# Altium PCB RabbitMask.PcbDoc (part 1 of 5)
Units mm, origin at the board's own origin, x right, y up, seen from the top; angles counter-clockwise.
Board outline 372.49 x 232.54 mm, 2 copper layers (Top Layer, Bottom Layer); 598 components, 1202 nets, 3588 pads, 0 vias.
Unrouted connection lines stored in the file: 1647.

## Layer stack, top to bottom
Top Solder: solder mask 0.0102, Solder Resist, Dk 3.5
Top Layer: signal copper 0.0356
Dielectric 1: dielectric 0.32, FR-4, Dk 4.8
Bottom Layer: signal copper 0.0356
Bottom Solder: solder mask 0.0102, Solder Resist, Dk 3.5

## Board outline
-10.244,-76.397 362.244,-76.397 362.244,156.146 -10.244,156.146
cut-out: 328.197,119.17 ccw(c328.447,119.17) 328.447,118.92 ccw(c328.447,119.17) 328.697,119.17 ccw(c328.447,119.17) 328.447,119.42 ccw(c328.447,119.17)
cut-out: 326.837,118.84 ccw(c327.087,118.84) 327.087,118.59 ccw(c327.087,118.84) 327.337,118.84 ccw(c327.087,118.84) 327.087,119.09 ccw(c327.087,118.84)
cut-out: 328.433,118.198 ccw(c328.683,118.198) 328.683,117.948 ccw(c328.683,118.198) 328.933,118.198 ccw(c328.683,118.198) 328.683,118.448 ccw(c328.683,118.198)
cut-out: 328.918,116.976 ccw(c328.918,117.226) 329.168,117.226 ccw(c328.918,117.226) 328.918,117.476 ccw(c328.918,117.226) 328.668,117.226 ccw(c328.918,117.226)
cut-out: 327.072,117.868 ccw(c327.322,117.868) 327.322,117.618 ccw(c327.322,117.868) 327.572,117.868 ccw(c327.322,117.868) 327.322,118.118 ccw(c327.322,117.868)
cut-out: 327.308,116.897 ccw(c327.558,116.897) 327.558,116.647 ccw(c327.558,116.897) 327.808,116.897 ccw(c327.558,116.897) 327.558,117.147 ccw(c327.558,116.897)
cut-out: 323.955,136.663 ccw(c324.205,136.663) 324.205,136.413 ccw(c324.205,136.663) 324.455,136.663 ccw(c324.205,136.663) 324.205,136.913 ccw(c324.205,136.663)
cut-out: 323.72,137.635 cw(c323.97,137.635) 323.97,137.885 cw(c323.97,137.635) 324.22,137.635 cw(c323.97,137.635) 323.97,137.385 cw(c323.97,137.635)
cut-out: 322.359,137.305 cw(c322.609,137.305) 322.609,137.555 cw(c322.609,137.305) 322.859,137.305 cw(c322.609,137.305) 322.609,137.055 cw(c322.609,137.305)
cut-out: 324.191,135.691 ccw(c324.441,135.691) 324.441,135.441 ccw(c324.441,135.691) 324.691,135.691 ccw(c324.441,135.691) 324.441,135.941 ccw(c324.441,135.691)
cut-out: 323.142,133.833 cw(c324.114,134.069) 325.086,134.304 328.385,120.699 cw(c327.413,120.463) 326.442,120.227
cut-out: 322.831,135.361 ccw(c323.081,135.361) 323.081,135.111 ccw(c323.081,135.361) 323.331,135.361 ccw(c323.081,135.361) 323.081,135.611 ccw(c323.081,135.361)
cut-out: 322.595,136.333 ccw(c322.845,136.333) 322.845,136.083 ccw(c322.845,136.333) 323.095,136.333 ccw(c322.845,136.333) 322.845,136.583 ccw(c322.845,136.333)
cut-out: 330.919,101.762 ccw(c331.891,101.998) 332.863,102.234 329.563,115.839 ccw(c328.592,115.604) 327.62,115.368
cut-out: 308.83,144.96 ccw(c309.08,144.96) 309.08,144.71 ccw(c309.08,144.96) 309.33,144.96 ccw(c309.08,144.96) 309.08,145.21 ccw(c309.08,144.96)
cut-out: 308.082,144.643 ccw(c308.082,144.893) 308.332,144.893 ccw(c308.082,144.893) 308.082,145.143 ccw(c308.082,144.893) 307.832,144.893 ccw(c308.082,144.893)
cut-out: 309.174,143.313 ccw(c309.174,143.563) 309.424,143.563 ccw(c309.174,143.563) 309.174,143.813 ccw(c309.174,143.563) 308.924,143.563 ccw(c309.174,143.563)
cut-out: 306.834,144.825 ccw(c307.084,144.825) 307.084,144.575 ccw(c307.084,144.825) 307.334,144.825 ccw(c307.084,144.825) 307.084,145.075 ccw(c307.084,144.825)
cut-out: 307.926,143.496 ccw(c308.176,143.496) 308.176,143.246 ccw(c308.176,143.496) 308.426,143.496 ccw(c308.176,143.496) 308.176,143.746 ccw(c308.176,143.496)
cut-out: 306.929,143.429 ccw(c307.179,143.429) 307.179,143.179 ccw(c307.179,143.429) 307.429,143.429 ccw(c307.179,143.429) 307.179,143.679 ccw(c307.179,143.429)
cut-out: 288.875,143.615 ccw(c289.125,143.615) 289.125,143.365 ccw(c289.125,143.615) 289.375,143.615 ccw(c289.125,143.615) 289.125,143.865 ccw(c289.125,143.615)
cut-out: 288.127,143.298 ccw(c288.127,143.548) 288.377,143.548 ccw(c288.127,143.548) 288.127,143.798 ccw(c288.127,143.548) 287.877,143.548 ccw(c288.127,143.548)
cut-out: 290.736,142.02 305.702,143.028 ccw(c305.635,144.026) 305.568,145.024 290.602,144.015 ccw(c290.669,143.017)
cut-out: 289.219,141.968 ccw(c289.219,142.218) 289.469,142.218 ccw(c289.219,142.218) 289.219,142.468 ccw(c289.219,142.218) 288.969,142.218 ccw(c289.219,142.218)
cut-out: 287.13,143.23 ccw(c287.13,143.48) 287.38,143.48 ccw(c287.13,143.48) 287.13,143.73 ccw(c287.13,143.48) 286.88,143.48 ccw(c287.13,143.48)
cut-out: 287.972,142.151 ccw(c288.222,142.151) 288.222,141.901 ccw(c288.222,142.151) 288.472,142.151 ccw(c288.222,142.151) 288.222,142.401 ccw(c288.222,142.151)
cut-out: 321.964,138.692 320.668,144.037 310.691,143.365 cw(c310.624,144.362) 310.556,145.36 322.215,146.146 323.908,139.163 cw(c322.936,138.928)
cut-out: 287.224,141.833 ccw(c287.224,142.083) 287.474,142.083 ccw(c287.224,142.083) 287.224,142.333 ccw(c287.224,142.083) 286.974,142.083 ccw(c287.224,142.083)
cut-out: 337.559,82.011 ccw(c337.809,82.011) 337.809,81.761 ccw(c337.809,82.011) 338.059,82.011 ccw(c337.809,82.011) 337.809,82.261 ccw(c337.809,82.011)
cut-out: 337.34,82.987 ccw(c337.59,82.987) 337.59,82.737 ccw(c337.59,82.987) 337.84,82.987 ccw(c337.59,82.987) 337.59,83.237 ccw(c337.59,82.987)
cut-out: 335.974,82.68 ccw(c336.224,82.68) 336.224,82.43 ccw(c336.224,82.68) 336.474,82.68 ccw(c336.224,82.68) 336.224,82.93 ccw(c336.224,82.68)
cut-out: 337.778,81.035 ccw(c338.028,81.035) 338.028,80.785 ccw(c338.028,81.035) 338.278,81.035 ccw(c338.028,81.035) 338.028,81.285 ccw(c338.028,81.035)
cut-out: 336.193,81.704 ccw(c336.443,81.704) 336.443,81.454 ccw(c336.443,81.704) 336.693,81.704 ccw(c336.443,81.704) 336.443,81.954 ccw(c336.443,81.704)
cut-out: 336.412,80.729 ccw(c336.662,80.729) 336.662,80.479 ccw(c336.662,80.729) 336.912,80.729 ccw(c336.662,80.729) 336.662,80.979 ccw(c336.662,80.729)
cut-out: 332.924,100.455 ccw(c332.924,100.705) 333.174,100.705 ccw(c332.924,100.705) 332.924,100.955 ccw(c332.924,100.705) 332.674,100.705 ccw(c332.924,100.705)
cut-out: 332.91,99.733 ccw(c333.16,99.733) 333.16,99.483 ccw(c333.16,99.733) 333.41,99.733 ccw(c333.16,99.733) 333.16,99.983 ccw(c333.16,99.733)
cut-out: 331.314,100.375 ccw(c331.564,100.375) 331.564,100.125 ccw(c331.564,100.375) 331.814,100.375 ccw(c331.564,100.375) 331.564,100.625 ccw(c331.564,100.375)
cut-out: 331.55,99.403 ccw(c331.8,99.403) 331.8,99.153 ccw(c331.8,99.403) 332.05,99.403 ccw(c331.8,99.403) 331.8,99.653 ccw(c331.8,99.403)
cut-out: 333.396,98.511 ccw(c333.396,98.761) 333.646,98.761 ccw(c333.396,98.761) 333.396,99.011 ccw(c333.396,98.761) 333.146,98.761 ccw(c333.396,98.761)
cut-out: 331.785,98.432 ccw(c332.035,98.432) 332.035,98.182 ccw(c332.035,98.432) 332.285,98.432 ccw(c332.035,98.432) 332.035,98.682 ccw(c332.035,98.432)
cut-out: 348.292,34.201 ccw(c348.542,34.201) 348.542,33.951 ccw(c348.542,34.201) 348.792,34.201 ccw(c348.542,34.201) 348.542,34.451 ccw(c348.542,34.201)
cut-out: 346.926,33.894 ccw(c347.176,33.894) 347.176,33.644 ccw(c347.176,33.894) 347.426,33.894 ccw(c347.176,33.894) 347.176,34.144 ccw(c347.176,33.894)
cut-out: 348.511,33.225 ccw(c348.761,33.225) 348.761,32.975 ccw(c348.761,33.225) 349.011,33.225 ccw(c348.761,33.225) 348.761,33.475 ccw(c348.761,33.225)
cut-out: 348.98,32 ccw(c348.98,32.25) 349.23,32.25 ccw(c348.98,32.25) 348.98,32.5 ccw(c348.98,32.25) 348.73,32.25 ccw(c348.98,32.25)
cut-out: 347.145,32.919 ccw(c347.395,32.919) 347.395,32.669 ccw(c347.395,32.919) 347.645,32.919 ccw(c347.395,32.919) 347.395,33.169 ccw(c347.395,32.919)
cut-out: 347.364,31.943 ccw(c347.614,31.943) 347.614,31.693 ccw(c347.614,31.943) 347.864,31.943 ccw(c347.614,31.943) 347.614,32.193 ccw(c347.614,31.943)
cut-out: 343.035,57.618 ccw(c343.285,57.618) 343.285,57.368 ccw(c343.285,57.618) 343.535,57.618 ccw(c343.285,57.618) 343.285,57.868 ccw(c343.285,57.618)
cut-out: 342.816,58.594 cw(c343.066,58.594) 343.066,58.844 cw(c343.066,58.594) 343.316,58.594 cw(c343.066,58.594) 343.066,58.344 cw(c343.066,58.594)
cut-out: 341.079,59.685 336.698,79.199 cw(c337.673,79.418) 338.649,79.637 343.03,60.123 cw(c342.054,59.904)
cut-out: 341.45,58.287 cw(c341.7,58.287) 341.7,58.537 cw(c341.7,58.287) 341.95,58.287 cw(c341.7,58.287) 341.7,58.037 cw(c341.7,58.287)
cut-out: 343.254,56.643 ccw(c343.504,56.643) 343.504,56.393 ccw(c343.504,56.643) 343.754,56.643 ccw(c343.504,56.643) 343.504,56.893 ccw(c343.504,56.643)
cut-out: 342.174,54.807 cw(c343.15,55.026) 344.125,55.245 348.506,35.73 cw(c347.531,35.511) 346.555,35.292
cut-out: 341.888,56.336 ccw(c342.138,56.336) 342.138,56.086 ccw(c342.138,56.336) 342.388,56.336 ccw(c342.138,56.336) 342.138,56.586 ccw(c342.138,56.336)
cut-out: 341.669,57.312 ccw(c341.919,57.312) 341.919,57.062 ccw(c341.919,57.312) 342.169,57.312 ccw(c341.919,57.312) 341.919,57.562 ccw(c341.919,57.312)
cut-out: 328.343,87.834 cw(c327.87,88.715) 327.397,89.596 333.123,92.67 332.097,96.903 cw(c333.069,97.139) 334.041,97.374 334.501,95.475 335.197,95.011 337.554,84.516 cw(c336.578,84.297) 335.602,84.078 334.069,90.908
cut-out: 325.967,88.622 ccw(c326.217,88.622) 326.217,88.372 ccw(c326.217,88.622) 326.467,88.622 ccw(c326.217,88.622) 326.217,88.872 ccw(c326.217,88.622)
cut-out: 325.086,88.149 ccw(c325.336,88.149) 325.336,87.899 ccw(c325.336,88.149) 325.586,88.149 ccw(c325.336,88.149) 325.336,88.399 ccw(c325.336,88.149)
cut-out: 326.629,87.389 ccw(c326.879,87.389) 326.879,87.139 ccw(c326.879,87.389) 327.129,87.389 ccw(c326.879,87.389) 326.879,87.639 ccw(c326.879,87.389)
cut-out: 325.748,86.916 ccw(c325.998,86.916) 325.998,86.666 ccw(c325.998,86.916) 326.248,86.916 ccw(c325.998,86.916) 325.998,87.166 ccw(c325.998,86.916)
cut-out: 324.455,87.426 ccw(c324.455,87.676) 324.705,87.676 ccw(c324.455,87.676) 324.455,87.926 ccw(c324.455,87.676) 324.205,87.676 ccw(c324.455,87.676)
cut-out: 325.117,86.193 ccw(c325.117,86.443) 325.367,86.443 ccw(c325.117,86.443) 325.117,86.693 ccw(c325.117,86.443) 324.867,86.443 ccw(c325.117,86.443)
cut-out: 300.416,74.905 ccw(c300.666,74.905) 300.666,74.655 ccw(c300.666,74.905) 300.916,74.905 ccw(c300.666,74.905) 300.666,75.155 ccw(c300.666,74.905)
cut-out: 299.535,74.432 ccw(c299.785,74.432) 299.785,74.182 ccw(c299.785,74.432) 300.035,74.432 ccw(c299.785,74.432) 299.785,74.682 ccw(c299.785,74.432)
cut-out: 302.792,74.116 cw(c302.319,74.997) 301.846,75.879 322.991,87.231 cw(c323.464,86.35) 323.937,85.469
cut-out: 301.078,73.671 ccw(c301.328,73.671) 301.328,73.421 ccw(c301.328,73.671) 301.578,73.671 ccw(c301.328,73.671) 301.328,73.921 ccw(c301.328,73.671)
cut-out: 298.654,73.959 ccw(c298.904,73.959) 298.904,73.709 ccw(c298.904,73.959) 299.154,73.959 ccw(c298.904,73.959) 298.904,74.209 ccw(c298.904,73.959)
cut-out: 300.197,73.198 ccw(c300.447,73.198) 300.447,72.948 ccw(c300.447,73.198) 300.697,73.198 ccw(c300.447,73.198) 300.447,73.448 ccw(c300.447,73.198)
cut-out: 299.566,72.475 ccw(c299.566,72.725) 299.816,72.725 ccw(c299.566,72.725) 299.566,72.975 ccw(c299.566,72.725) 299.316,72.725 ccw(c299.566,72.725)
cut-out: 288.154,56.767 ccw(c288.404,56.767) 288.404,56.517 ccw(c288.404,56.767) 288.654,56.767 ccw(c288.404,56.767) 288.404,57.017 ccw(c288.404,56.767)
cut-out: 287.896,55.801 ccw(c288.146,55.801) 288.146,55.551 ccw(c288.146,55.801) 288.396,55.801 ccw(c288.146,55.801) 288.146,56.051 ccw(c288.146,55.801)
cut-out: 287.889,54.584 ccw(c287.889,54.834) 288.139,54.834 ccw(c287.889,54.834) 287.889,55.084 ccw(c287.889,54.834) 287.639,54.834 ccw(c287.889,54.834)
cut-out: 286.801,57.128 ccw(c287.051,57.128) 287.051,56.878 ccw(c287.051,57.128) 287.301,57.128 ccw(c287.051,57.128) 287.051,57.378 ccw(c287.051,57.128)
cut-out: 286.793,55.911 ccw(c286.793,56.161) 287.043,56.161 ccw(c286.793,56.161) 286.793,56.411 ccw(c286.793,56.161) 286.543,56.161 ccw(c286.793,56.161)
cut-out: 286.286,55.195 ccw(c286.536,55.195) 286.536,54.945 ccw(c286.536,55.195) 286.786,55.195 ccw(c286.536,55.195) 286.536,55.445 ccw(c286.536,55.195)
cut-out: 282.316,53.396 ccw(c282.566,53.396) 282.566,53.146 ccw(c282.566,53.396) 282.816,53.396 ccw(c282.566,53.396) 282.566,53.646 ccw(c282.566,53.396)
cut-out: 281.883,52.495 ccw(c282.133,52.495) 282.133,52.245 ccw(c282.133,52.495) 282.383,52.495 ccw(c282.133,52.495) 282.133,52.745 ccw(c282.133,52.495)
cut-out: 281.7,51.343 ccw(c281.7,51.593) 281.95,51.593 ccw(c281.7,51.593) 281.7,51.843 ccw(c281.7,51.593) 281.45,51.593 ccw(c281.7,51.593)
cut-out: 270.781,140.674 cw(c270.714,141.672) 270.647,142.67 285.613,143.679 cw(c285.68,142.681) 285.747,141.683
cut-out: 268.92,142.27 ccw(c269.17,142.27) 269.17,142.02 ccw(c269.17,142.27) 269.42,142.27 ccw(c269.17,142.27) 269.17,142.52 ccw(c269.17,142.27)
cut-out: 267.923,142.202 ccw(c268.173,142.202) 268.173,141.952 ccw(c268.173,142.202) 268.423,142.202 ccw(c268.173,142.202) 268.173,142.452 ccw(c268.173,142.202)
cut-out: 269.015,140.873 ccw(c269.265,140.873) 269.265,140.623 ccw(c269.265,140.873) 269.515,140.873 ccw(c269.265,140.873) 269.265,141.123 ccw(c269.265,140.873)
cut-out: 268.017,140.806 cw(c268.267,140.806) 268.267,141.056 cw(c268.267,140.806) 268.517,140.806 cw(c268.267,140.806) 268.267,140.556 cw(c268.267,140.806)
cut-out: 266.925,142.135 ccw(c267.175,142.135) 267.175,141.885 ccw(c267.175,142.135) 267.425,142.135 ccw(c267.175,142.135) 267.175,142.385 ccw(c267.175,142.135)
cut-out: 267.269,140.488 ccw(c267.269,140.738) 267.519,140.738 ccw(c267.269,140.738) 267.269,140.988 ccw(c267.269,140.738) 267.019,140.738 ccw(c267.269,140.738)
cut-out: 244.063,140.649 ccw(c244.313,140.649) 244.313,140.399 ccw(c244.313,140.649) 244.563,140.649 ccw(c244.313,140.649) 244.313,140.899 ccw(c244.313,140.649)
cut-out: 243.063,140.678 ccw(c243.313,140.678) 243.313,140.428 ccw(c243.313,140.678) 243.563,140.678 ccw(c243.313,140.678) 243.313,140.928 ccw(c243.313,140.678)
cut-out: 254.393,133.39 ccw(c255.391,133.32) 256.389,133.25 256.841,139.735 265.793,140.338 ccw(c265.725,141.336) 265.658,142.334 251.614,141.387 248.94,140.819 245.82,140.907 ccw(c245.792,139.907) 245.764,138.908 254.76,138.653
cut-out: 244.023,139.25 ccw(c244.273,139.25) 244.273,139 ccw(c244.273,139.25) 244.523,139.25 ccw(c244.273,139.25) 244.273,139.5 ccw(c244.273,139.25)
cut-out: 243.023,139.278 ccw(c243.273,139.278) 243.273,139.028 ccw(c243.273,139.278) 243.523,139.278 ccw(c243.273,139.278) 243.273,139.528 ccw(c243.273,139.278)
cut-out: 255.735,131.775 ccw(c255.985,131.775) 255.985,131.525 ccw(c255.985,131.775) 256.235,131.775 ccw(c255.985,131.775) 255.985,132.025 ccw(c255.985,131.775)
cut-out: 255.665,130.777 ccw(c255.915,130.777) 255.915,130.527 ccw(c255.915,130.777) 256.165,130.777 ccw(c255.915,130.777) 255.915,131.027 ccw(c255.915,130.777)
cut-out: 255.596,129.78 ccw(c255.846,129.78) 255.846,129.53 ccw(c255.846,129.78) 256.096,129.78 ccw(c255.846,129.78) 255.846,130.03 ccw(c255.846,129.78)
cut-out: 254.338,131.872 ccw(c254.588,131.872) 254.588,131.622 ccw(c254.588,131.872) 254.838,131.872 ccw(c254.588,131.872) 254.588,132.122 ccw(c254.588,131.872)
cut-out: 254.269,130.875 ccw(c254.519,130.875) 254.519,130.625 ccw(c254.519,130.875) 254.769,130.875 ccw(c254.519,130.875) 254.519,131.125 ccw(c254.519,130.875)
cut-out: 254.199,129.877 ccw(c254.449,129.877) 254.449,129.627 ccw(c254.449,129.877) 254.699,129.877 ccw(c254.449,129.877) 254.449,130.127 ccw(c254.449,129.877)
cut-out: 254.344,111.823 cw(c254.594,111.823) 254.594,112.073 cw(c254.594,111.823) 254.844,111.823 cw(c254.594,111.823) 254.594,111.573 cw(c254.594,111.823)
cut-out: 253.002,113.438 ccw(c254,113.368) 254.997,113.299 256.041,128.263 ccw(c255.043,128.332) 254.046,128.402
cut-out: 253.197,111.671 ccw(c253.197,111.921) 253.447,111.921 ccw(c253.197,111.921) 253.197,112.171 ccw(c253.197,111.921) 252.947,111.921 ccw(c253.197,111.921)
cut-out: 254.274,110.826 ccw(c254.524,110.826) 254.524,110.576 ccw(c254.524,110.826) 254.774,110.826 ccw(c254.524,110.826) 254.524,111.076 ccw(c254.524,110.826)
cut-out: 254.205,109.828 ccw(c254.455,109.828) 254.455,109.578 ccw(c254.455,109.828) 254.705,109.828 ccw(c254.455,109.828) 254.455,110.078 ccw(c254.455,109.828)
cut-out: 252.878,110.923 ccw(c253.128,110.923) 253.128,110.673 ccw(c253.128,110.923) 253.378,110.923 ccw(c253.128,110.923) 253.128,111.173 ccw(c253.128,110.923)
cut-out: 252.808,109.926 ccw(c253.058,109.926) 253.058,109.676 ccw(c253.058,109.926) 253.308,109.926 ccw(c253.058,109.926) 253.058,110.176 ccw(c253.058,109.926)
cut-out: 223.071,141.243 ccw(c223.321,141.243) 223.321,140.993 ccw(c223.321,141.243) 223.571,141.243 ccw(c223.321,141.243) 223.321,141.493 ccw(c223.321,141.243)
cut-out: 222.071,141.271 ccw(c222.321,141.271) 222.321,141.021 ccw(c222.321,141.271) 222.571,141.271 ccw(c222.321,141.271) 222.321,141.521 ccw(c222.321,141.271)
cut-out: 224.321,140.965 ccw(c224.321,141.215) 224.571,141.215 ccw(c224.321,141.215) 224.321,141.465 ccw(c224.321,141.215) 224.071,141.215 ccw(c224.321,141.215)
cut-out: 242.063,140.706 ccw(c242.313,140.706) 242.313,140.456 ccw(c242.313,140.706) 242.563,140.706 ccw(c242.313,140.706) 242.313,140.956 ccw(c242.313,140.706)
cut-out: 222.282,139.622 ccw(c222.282,139.872) 222.532,139.872 ccw(c222.282,139.872) 222.282,140.122 ccw(c222.282,139.872) 222.032,139.872 ccw(c222.282,139.872)
cut-out: 205.78,140.039 220.774,139.615 ccw(c220.802,140.614) 220.83,141.614 205.836,142.038 ccw(c205.808,141.038)
cut-out: 204.329,141.53 ccw(c204.329,141.78) 204.579,141.78 ccw(c204.329,141.78) 204.329,142.03 ccw(c204.329,141.78) 204.079,141.78 ccw(c204.329,141.78)
cut-out: 202.329,141.587 cw(c202.329,141.837) 202.079,141.837 cw(c202.329,141.837) 202.329,142.087 cw(c202.329,141.837) 202.579,141.837 cw(c202.329,141.837)
cut-out: 203.329,141.559 cw(c203.329,141.809) 203.079,141.809 cw(c203.329,141.809) 203.329,142.059 cw(c203.329,141.809) 203.579,141.809 cw(c203.329,141.809)
cut-out: 204.289,140.131 ccw(c204.289,140.381) 204.539,140.381 ccw(c204.289,140.381) 204.289,140.631 ccw(c204.289,140.381) 204.039,140.381 ccw(c204.289,140.381)
cut-out: 203.039,140.409 cw(c203.289,140.409) 203.289,140.659 cw(c203.289,140.409) 203.539,140.409 cw(c203.289,140.409) 203.289,140.159 cw(c203.289,140.409)
cut-out: 202.29,140.187 ccw(c202.29,140.437) 202.54,140.437 ccw(c202.29,140.437) 202.29,140.687 ccw(c202.29,140.437) 202.04,140.437 ccw(c202.29,140.437)
cut-out: 242.024,139.306 ccw(c242.274,139.306) 242.274,139.056 ccw(c242.274,139.306) 242.524,139.306 ccw(c242.274,139.306) 242.274,139.556 ccw(c242.274,139.306)
cut-out: 225.772,139.473 240.766,139.049 ccw(c240.794,140.049) 240.822,141.048 225.828,141.472 ccw(c225.8,140.473)
cut-out: 224.281,139.565 ccw(c224.281,139.815) 224.531,139.815 ccw(c224.281,139.815) 224.281,140.065 ccw(c224.281,139.815) 224.031,139.815 ccw(c224.281,139.815)
cut-out: 223.281,139.594 ccw(c223.281,139.844) 223.531,139.844 ccw(c223.281,139.844) 223.281,140.094 ccw(c223.281,139.844) 223.031,139.844 ccw(c223.281,139.844)
cut-out: 185.837,130.802 187.166,142.566 200.838,142.179 cw(c200.81,141.18) 200.782,140.18 188.947,140.515 187.824,130.578 cw(c186.831,130.69)
cut-out: 187.358,128.871 cw(c187.358,129.121) 187.108,129.121 cw(c187.358,129.121) 187.358,129.371 cw(c187.358,129.121) 187.608,129.121 cw(c187.358,129.121)
cut-out: 187.246,127.877 cw(c187.246,128.127) 186.996,128.127 cw(c187.246,128.127) 187.246,128.377 cw(c187.246,128.127) 187.496,128.127 cw(c187.246,128.127)
cut-out: 187.133,126.884 cw(c187.133,127.134) 186.883,127.134 cw(c187.133,127.134) 187.133,127.384 cw(c187.133,127.134) 187.383,127.134 cw(c187.133,127.134)
cut-out: 185.967,129.028 cw(c185.967,129.278) 185.717,129.278 cw(c185.967,129.278) 185.967,129.528 cw(c185.967,129.278) 186.217,129.278 cw(c185.967,129.278)
cut-out: 185.855,128.035 cw(c185.855,128.285) 185.605,128.285 cw(c185.855,128.285) 185.855,128.535 cw(c185.855,128.285) 186.105,128.285 cw(c185.855,128.285)
cut-out: 185.742,127.041 cw(c185.742,127.291) 185.492,127.291 cw(c185.742,127.291) 185.742,127.541 cw(c185.742,127.291) 185.992,127.291 cw(c185.742,127.291)
cut-out: 183.592,110.929 185.276,125.834 cw(c186.269,125.722) 187.263,125.61 185.58,110.704 cw(c184.586,110.817)
cut-out: 185.113,108.998 cw(c185.113,109.248) 184.863,109.248 cw(c185.113,109.248) 185.113,109.498 cw(c185.113,109.248) 185.363,109.248 cw(c185.113,109.248)
cut-out: 183.722,109.155 cw(c183.722,109.405) 183.472,109.405 cw(c183.722,109.405) 183.722,109.655 cw(c183.722,109.405) 183.972,109.405 cw(c183.722,109.405)
cut-out: 252.953,91.872 ccw(c253.203,91.872) 253.203,91.622 ccw(c253.203,91.872) 253.453,91.872 ccw(c253.203,91.872) 253.203,92.122 ccw(c253.203,91.872)
cut-out: 251.556,91.969 ccw(c251.806,91.969) 251.806,91.719 ccw(c251.806,91.969) 252.056,91.969 ccw(c251.806,91.969) 251.806,92.219 ccw(c251.806,91.969)
cut-out: 252.883,90.874 ccw(c253.133,90.874) 253.133,90.624 ccw(c253.133,90.874) 253.383,90.874 ccw(c253.133,90.874) 253.133,91.124 ccw(c253.133,90.874)
cut-out: 252.813,89.877 ccw(c253.063,89.877) 253.063,89.627 ccw(c253.063,89.877) 253.313,89.877 ccw(c253.063,89.877) 253.063,90.127 ccw(c253.063,89.877)
cut-out: 251.486,90.972 ccw(c251.736,90.972) 251.736,90.722 ccw(c251.736,90.972) 251.986,90.972 ccw(c251.736,90.972) 251.736,91.222 ccw(c251.736,90.972)
cut-out: 251.417,89.974 ccw(c251.667,89.974) 251.667,89.724 ccw(c251.667,89.974) 251.917,89.974 ccw(c251.667,89.974) 251.667,90.224 ccw(c251.667,89.974)
cut-out: 251.611,93.486 ccw(c252.609,93.417) 253.606,93.347 254.65,108.311 ccw(c253.652,108.381) 252.654,108.45
cut-out: 240.91,68.594 ccw(c240.91,68.844) 241.16,68.844 ccw(c240.91,68.844) 240.91,69.094 ccw(c240.91,68.844) 240.66,68.844 ccw(c240.91,68.844)
cut-out: 239.91,68.594 ccw(c239.91,68.844) 240.16,68.844 ccw(c239.91,68.844) 239.91,69.094 ccw(c239.91,68.844) 239.66,68.844 ccw(c239.91,68.844)
cut-out: 219.91,68.595 ccw(c219.91,68.845) 220.16,68.845 ccw(c219.91,68.845) 219.91,69.095 ccw(c219.91,68.845) 219.66,68.845 ccw(c219.91,68.845)
cut-out: 238.66,68.844 ccw(c238.91,68.844) 238.91,68.594 ccw(c238.91,68.844) 239.16,68.844 ccw(c238.91,68.844) 238.91,69.094 ccw(c238.91,68.844)
cut-out: 220.66,68.845 ccw(c220.91,68.845) 220.91,68.595 ccw(c220.91,68.845) 221.16,68.845 ccw(c220.91,68.845) 220.91,69.095 ccw(c220.91,68.845)
cut-out: 281.054,54.002 ccw(c281.304,54.002) 281.304,53.752 ccw(c281.304,54.002) 281.554,54.002 ccw(c281.304,54.002) 281.304,54.252 ccw(c281.304,54.002)
cut-out: 280.871,52.851 ccw(c280.871,53.101) 281.121,53.101 ccw(c280.871,53.101) 280.871,53.351 ccw(c280.871,53.101) 280.621,53.101 ccw(c280.871,53.101)
cut-out: 280.188,52.2 ccw(c280.438,52.2) 280.438,51.95 ccw(c280.438,52.2) 280.688,52.2 ccw(c280.438,52.2) 280.438,52.45 ccw(c280.438,52.2)
cut-out: 269.993,31.146 ccw(c270.894,30.713) 271.796,30.28 281.321,50.111 ccw(c280.42,50.544) 279.518,50.977
cut-out: 270.626,29.058 ccw(c270.876,29.058) 270.876,28.808 ccw(c270.876,29.058) 271.126,29.058 ccw(c270.876,29.058) 270.876,29.308 ccw(c270.876,29.058)
cut-out: 269.364,29.664 ccw(c269.614,29.664) 269.614,29.414 ccw(c269.614,29.664) 269.864,29.664 ccw(c269.614,29.664) 269.614,29.914 ccw(c269.614,29.664)
cut-out: 270.193,28.157 ccw(c270.443,28.157) 270.443,27.907 ccw(c270.443,28.157) 270.693,28.157 ccw(c270.443,28.157) 270.443,28.407 ccw(c270.443,28.157)
cut-out: 242.41,67.144 cw(c242.41,68.144) 242.392,69.144 249.914,69.143 251.263,88.499 cw(c252.261,88.429) 253.258,88.359 251.988,70.141 290.815,69.957 297.441,73.513 cw(c297.914,72.632) 298.387,71.751 291.761,68.194 289.08,58.139 cw(c288.114,58.397) 287.148,58.654 288.178,62.519 287.382,62.731 283.486,54.619 cw(c282.584,55.052) 281.683,55.484 287.282,67.141
cut-out: 239.66,67.444 ccw(c239.91,67.444) 239.91,67.194 ccw(c239.91,67.444) 240.16,67.444 ccw(c239.91,67.444) 239.91,67.694 ccw(c239.91,67.444)
cut-out: 268.931,28.763 cw(c269.181,28.763) 269.181,29.013 cw(c269.181,28.763) 269.431,28.763 cw(c269.181,28.763) 269.181,28.513 cw(c269.181,28.763)
cut-out: 240.66,67.444 ccw(c240.91,67.444) 240.91,67.194 ccw(c240.91,67.444) 241.16,67.444 ccw(c240.91,67.444) 240.91,67.694 ccw(c240.91,67.444)
cut-out: 219.66,67.445 ccw(c219.91,67.445) 219.91,67.195 ccw(c219.91,67.445) 220.16,67.445 ccw(c219.91,67.445) 219.91,67.695 ccw(c219.91,67.445)
cut-out: 238.66,67.444 ccw(c238.91,67.444) 238.91,67.194 ccw(c238.91,67.444) 239.16,67.444 ccw(c238.91,67.444) 238.91,67.694 ccw(c238.91,67.444)
cut-out: 222.41,67.145 237.41,67.144 ccw(c237.41,68.144) 237.429,69.144 222.388,69.145 ccw(c222.41,68.145)
cut-out: 220.66,67.445 ccw(c220.91,67.445) 220.91,67.195 ccw(c220.91,67.445) 221.16,67.445 ccw(c220.91,67.445) 220.91,67.695 ccw(c220.91,67.445)
cut-out: 183.61,108.161 ccw(c183.61,108.411) 183.86,108.411 ccw(c183.61,108.411) 183.61,108.661 ccw(c183.61,108.411) 183.36,108.411 ccw(c183.61,108.411)
cut-out: 185.001,108.004 cw(c185.001,108.254) 184.751,108.254 cw(c185.001,108.254) 185.001,108.504 cw(c185.001,108.254) 185.251,108.254 cw(c185.001,108.254)
cut-out: 184.639,107.26 cw(c184.889,107.26) 184.889,107.51 cw(c184.889,107.26) 185.139,107.26 cw(c184.889,107.26) 184.889,107.01 cw(c184.889,107.26)
cut-out: 183.497,107.167 cw(c183.497,107.417) 183.247,107.417 cw(c183.497,107.417) 183.497,107.667 cw(c183.497,107.417) 183.747,107.417 cw(c183.497,107.417)
cut-out: 199.66,68.846 ccw(c199.91,68.846) 199.91,68.596 ccw(c199.91,68.846) 200.16,68.846 ccw(c199.91,68.846) 199.91,69.096 ccw(c199.91,68.846)
cut-out: 198.66,68.847 ccw(c198.91,68.847) 198.91,68.597 ccw(c198.91,68.847) 199.16,68.847 ccw(c198.91,68.847) 198.91,69.097 ccw(c198.91,68.847)
cut-out: 182.618,89.374 ccw(c182.868,89.374) 182.868,89.124 ccw(c182.868,89.374) 183.118,89.374 ccw(c182.868,89.374) 182.868,89.624 ccw(c182.868,89.374)
cut-out: 181.347,91.055 183.031,105.96 cw(c184.025,105.848) 185.018,105.736 183.335,90.831 cw(c182.341,90.943)
cut-out: 181.227,89.531 ccw(c181.477,89.531) 181.477,89.281 ccw(c181.477,89.531) 181.727,89.531 ccw(c181.477,89.531) 181.477,89.781 ccw(c181.477,89.531)
cut-out: 182.506,88.38 ccw(c182.756,88.38) 182.756,88.13 ccw(c182.756,88.38) 183.006,88.38 ccw(c182.756,88.38) 182.756,88.63 ccw(c182.756,88.38)
cut-out: 182.394,87.387 cw(c182.644,87.387) 182.644,87.637 cw(c182.644,87.387) 182.894,87.387 cw(c182.644,87.387) 182.644,87.137 cw(c182.644,87.387)
cut-out: 181.115,88.537 ccw(c181.365,88.537) 181.365,88.287 ccw(c181.365,88.537) 181.615,88.537 ccw(c181.365,88.537) 181.365,88.787 ccw(c181.365,88.537)
cut-out: 181.002,87.544 ccw(c181.252,87.544) 181.252,87.294 ccw(c181.252,87.544) 181.502,87.544 ccw(c181.252,87.544) 181.252,87.794 ccw(c181.252,87.544)
cut-out: 218.66,68.845 ccw(c218.91,68.845) 218.91,68.595 ccw(c218.91,68.845) 219.16,68.845 ccw(c218.91,68.845) 218.91,69.095 ccw(c218.91,68.845)
cut-out: 200.91,68.596 ccw(c200.91,68.846) 201.16,68.846 ccw(c200.91,68.846) 200.91,69.096 ccw(c200.91,68.846) 200.66,68.846 ccw(c200.91,68.846)
cut-out: 198.66,67.447 ccw(c198.91,67.447) 198.91,67.197 ccw(c198.91,67.447) 199.16,67.447 ccw(c198.91,67.447) 198.91,67.697 ccw(c198.91,67.447)
cut-out: 199.66,67.446 ccw(c199.91,67.446) 199.91,67.196 ccw(c199.91,67.446) 200.16,67.446 ccw(c199.91,67.446) 199.91,67.696 ccw(c199.91,67.446)
cut-out: 218.66,67.445 ccw(c218.91,67.445) 218.91,67.195 ccw(c218.91,67.445) 219.16,67.445 ccw(c218.91,67.445) 218.91,67.695 ccw(c218.91,67.445)
cut-out: 202.41,67.146 217.41,67.145 ccw(c217.41,68.145) 217.433,69.145 202.384,69.146 ccw(c202.41,68.146)
cut-out: 200.66,67.446 ccw(c200.91,67.446) 200.91,67.196 ccw(c200.91,67.446) 201.16,67.446 ccw(c200.91,67.446) 200.91,67.696 ccw(c200.91,67.446)
cut-out: 184.655,39.333 ccw(c184.905,39.333) 184.905,39.083 ccw(c184.905,39.333) 185.155,39.333 ccw(c184.905,39.333) 184.905,39.583 ccw(c184.905,39.333)
cut-out: 183.264,39.493 ccw(c183.514,39.493) 183.514,39.243 ccw(c183.514,39.493) 183.764,39.493 ccw(c183.514,39.493) 183.514,39.743 ccw(c183.514,39.493)
cut-out: 178,61.422 180.786,86.087 cw(c181.78,85.975) 182.773,85.862 180.885,69.147 197.437,69.146 cw(c197.41,68.147) 197.41,67.147 188.41,67.147 185.374,40.789 cw(c184.381,40.903) 183.388,41.018 184.474,50.456
cut-out: 184.54,38.339 ccw(c184.79,38.339) 184.79,38.089 ccw(c184.79,38.339) 185.04,38.339 ccw(c184.79,38.339) 184.79,38.589 ccw(c184.79,38.339)
cut-out: 184.426,37.346 ccw(c184.676,37.346) 184.676,37.096 ccw(c184.676,37.346) 184.926,37.346 ccw(c184.676,37.346) 184.676,37.596 ccw(c184.676,37.346)
cut-out: 183.15,38.5 ccw(c183.4,38.5) 183.4,38.25 ccw(c183.4,38.5) 183.65,38.5 ccw(c183.4,38.5) 183.4,38.75 ccw(c183.4,38.5)
cut-out: 183.035,37.506 ccw(c183.285,37.506) 183.285,37.256 ccw(c183.285,37.506) 183.535,37.506 ccw(c183.285,37.506) 183.285,37.756 ccw(c183.285,37.506)
cut-out: 353.988,8.833 ccw(c354.238,8.833) 354.238,8.583 ccw(c354.238,8.833) 354.488,8.833 ccw(c354.238,8.833) 354.238,9.083 ccw(c354.238,8.833)
cut-out: 353.769,9.808 cw(c354.019,9.808) 354.019,10.058 cw(c354.019,9.808) 354.269,9.808 cw(c354.019,9.808) 354.019,9.558 cw(c354.019,9.808)
cut-out: 354.207,7.857 ccw(c354.457,7.857) 354.457,7.607 ccw(c354.457,7.857) 354.707,7.857 ccw(c354.457,7.857) 354.457,8.107 ccw(c354.457,7.857)
cut-out: 352.622,8.526 ccw(c352.872,8.526) 352.872,8.276 ccw(c352.872,8.526) 353.122,8.526 ccw(c352.872,8.526) 352.872,8.776 ccw(c352.872,8.526)
cut-out: 352.841,7.55 ccw(c353.091,7.55) 353.091,7.3 ccw(c353.091,7.55) 353.341,7.55 ccw(c353.091,7.55) 353.091,7.8 ccw(c353.091,7.55)
cut-out: 352.403,9.502 ccw(c352.653,9.502) 352.653,9.252 ccw(c352.653,9.502) 352.903,9.502 ccw(c352.653,9.502) 352.653,9.752 ccw(c352.653,9.502)
cut-out: 352.031,10.899 347.65,30.414 cw(c348.626,30.633) 349.602,30.852 353.983,11.338 cw(c353.007,11.119)
cut-out: 281.338,8.483 ccw(c281.588,8.483) 281.588,8.233 ccw(c281.588,8.483) 281.838,8.483 ccw(c281.588,8.483) 281.588,8.733 ccw(c281.588,8.483)
cut-out: 280.821,9.339 ccw(c281.071,9.339) 281.071,9.089 ccw(c281.071,9.339) 281.321,9.339 ccw(c281.071,9.339) 281.071,9.589 ccw(c281.071,9.339)
cut-out: 347.506,-4.153 ccw(c347.756,-4.153) 347.756,-4.403 ccw(c347.756,-4.153) 348.006,-4.153 ccw(c347.756,-4.153) 347.756,-3.903 ccw(c347.756,-4.153)
cut-out: 282.106,7.377 ccw(c282.106,7.627) 282.356,7.627 ccw(c282.106,7.627) 282.106,7.877 ccw(c282.106,7.627) 281.856,7.627 ccw(c282.106,7.627)
cut-out: 349.668,-5.371 cw(c349.391,-4.41) 349.114,-3.449 354.88,-1.787 353.127,6.021 cw(c354.102,6.24) 355.078,6.459 357.244,-3.187
cut-out: 347.894,-5.498 ccw(c348.144,-5.498) 348.144,-5.748 ccw(c348.144,-5.498) 348.394,-5.498 ccw(c348.144,-5.498) 348.144,-5.248 ccw(c348.144,-5.498)
cut-out: 346.795,-4.68 ccw(c346.795,-4.43) 347.045,-4.43 ccw(c346.795,-4.43) 346.795,-4.18 ccw(c346.795,-4.43) 346.545,-4.43 ccw(c346.795,-4.43)
cut-out: 345.584,-4.707 ccw(c345.834,-4.707) 345.834,-4.957 ccw(c345.834,-4.707) 346.084,-4.707 ccw(c345.834,-4.707) 345.834,-4.457 ccw(c345.834,-4.707)
cut-out: 346.933,-5.775 ccw(c347.183,-5.775) 347.183,-6.025 ccw(c347.183,-5.775) 347.433,-5.775 ccw(c347.183,-5.775) 347.183,-5.525 ccw(c347.183,-5.775)
cut-out: 345.972,-6.052 ccw(c346.222,-6.052) 346.222,-6.302 ccw(c346.222,-6.052) 346.472,-6.052 ccw(c346.222,-6.052) 346.222,-5.802 ccw(c346.222,-6.052)
cut-out: 315.077,-15.343 cw(c314.8,-14.382) 314.523,-13.421 344.31,-4.834 cw(c344.587,-5.795) 344.864,-6.756
cut-out: 292.199,-9.491 ccw(c292.449,-9.491) 292.449,-9.741 ccw(c292.449,-9.491) 292.699,-9.491 ccw(c292.449,-9.491) 292.449,-9.241 ccw(c292.449,-9.491)
cut-out: 281.426,5.464 290.218,-9.086 ccw(c291.074,-8.569) 291.93,-8.052 283.138,6.498 ccw(c282.282,5.981)
cut-out: 291,-10.215 ccw(c291.25,-10.215) 291.25,-10.465 ccw(c291.25,-10.215) 291.5,-10.215 ccw(c291.25,-10.215) 291.25,-9.965 ccw(c291.25,-10.215)
cut-out: 292.966,-10.597 ccw(c292.966,-10.347) 293.216,-10.347 ccw(c292.966,-10.347) 292.966,-10.097 ccw(c292.966,-10.347) 292.716,-10.347 ccw(c292.966,-10.347)
cut-out: 293.233,-11.202 ccw(c293.483,-11.202) 293.483,-11.452 ccw(c293.483,-11.202) 293.733,-11.202 ccw(c293.483,-11.202) 293.483,-10.952 ccw(c293.483,-11.202)
cut-out: 292.035,-11.926 ccw(c292.285,-11.926) 292.285,-12.176 ccw(c292.285,-11.926) 292.535,-11.926 ccw(c292.285,-11.926) 292.285,-11.676 ccw(c292.285,-11.926)
cut-out: 291.768,-11.321 ccw(c291.768,-11.071) 292.018,-11.071 ccw(c291.768,-11.071) 291.768,-10.821 ccw(c291.768,-11.071) 291.518,-11.071 ccw(c291.768,-11.071)
cut-out: 279.91,25.847 ccw(c280.16,25.847) 280.16,25.597 ccw(c280.16,25.847) 280.41,25.847 ccw(c280.16,25.847) 280.16,26.097 ccw(c280.16,25.847)
cut-out: 278.904,27.734 ccw(c279.87,27.477) 280.836,27.219 287.792,53.308 ccw(c286.826,53.565) 285.859,53.823
cut-out: 279.652,24.881 cw(c279.902,24.881) 279.902,25.131 cw(c279.902,24.881) 280.152,24.881 cw(c279.902,24.881) 279.902,24.631 cw(c279.902,24.881)
cut-out: 279.395,23.914 ccw(c279.645,23.914) 279.645,23.664 ccw(c279.645,23.914) 279.895,23.914 ccw(c279.645,23.914) 279.645,24.164 ccw(c279.645,23.914)
cut-out: 279.623,8.615 cw(c279.873,8.615) 279.873,8.865 cw(c279.873,8.615) 280.123,8.615 cw(c279.873,8.615) 279.873,8.365 cw(c279.873,8.615)
cut-out: 278.557,26.208 ccw(c278.807,26.208) 278.807,25.958 ccw(c278.807,26.208) 279.057,26.208 ccw(c278.807,26.208) 278.807,26.458 ccw(c278.807,26.208)
cut-out: 269.76,27.255 ccw(c270.01,27.255) 270.01,27.005 ccw(c270.01,27.255) 270.26,27.255 ccw(c270.01,27.255) 270.01,27.505 ccw(c270.01,27.255)
cut-out: 268.748,27.611 ccw(c268.748,27.861) 268.998,27.861 ccw(c268.748,27.861) 268.748,28.111 ccw(c268.748,27.861) 268.498,27.861 ccw(c268.748,27.861)
cut-out: 278.55,24.991 ccw(c278.55,25.241) 278.8,25.241 ccw(c278.55,25.241) 278.55,25.491 ccw(c278.55,25.241) 278.3,25.241 ccw(c278.55,25.241)
cut-out: 278.292,24.025 ccw(c278.292,24.275) 278.542,24.275 ccw(c278.292,24.275) 278.292,24.525 ccw(c278.292,24.275) 278.042,24.275 ccw(c278.292,24.275)
cut-out: 280.39,7.509 ccw(c280.39,7.759) 280.64,7.759 ccw(c280.39,7.759) 280.39,8.009 ccw(c280.39,7.759) 280.14,7.759 ccw(c280.39,7.759)
cut-out: 280.657,6.903 ccw(c280.907,6.903) 280.907,6.653 ccw(c280.907,6.903) 281.157,6.903 ccw(c280.907,6.903) 280.907,7.153 ccw(c280.907,6.903)
cut-out: 273.051,-11.628 ccw(c273.301,-11.628) 273.301,-11.878 ccw(c273.301,-11.628) 273.551,-11.628 ccw(c273.301,-11.628) 273.301,-11.378 ccw(c273.301,-11.628)
cut-out: 271.674,-11.876 ccw(c271.924,-11.876) 271.924,-12.126 ccw(c271.924,-11.876) 272.174,-11.876 ccw(c271.924,-11.876) 271.924,-11.626 ccw(c271.924,-11.876)
cut-out: 273.228,-12.612 ccw(c273.478,-12.612) 273.478,-12.862 ccw(c273.478,-12.612) 273.728,-12.612 ccw(c273.478,-12.612) 273.478,-12.362 ccw(c273.478,-12.612)
cut-out: 273.655,-13.846 ccw(c273.655,-13.596) 273.905,-13.596 ccw(c273.655,-13.596) 273.655,-13.346 ccw(c273.655,-13.596) 273.405,-13.596 ccw(c273.655,-13.596)
cut-out: 271.85,-12.86 ccw(c272.1,-12.86) 272.1,-13.11 ccw(c272.1,-12.86) 272.35,-12.86 ccw(c272.1,-12.86) 272.1,-12.61 ccw(c272.1,-12.86)
cut-out: 272.027,-13.844 ccw(c272.277,-13.844) 272.277,-14.094 ccw(c272.277,-13.844) 272.527,-13.844 ccw(c272.277,-13.844) 272.277,-13.594 ccw(c272.277,-13.844)
cut-out: 269.69,7.072 ccw(c269.94,7.072) 269.94,6.822 ccw(c269.94,7.072) 270.19,7.072 ccw(c269.94,7.072) 269.94,7.322 ccw(c269.94,7.072)
cut-out: 268.312,6.825 ccw(c268.562,6.825) 268.562,6.575 ccw(c268.562,6.825) 268.812,6.825 ccw(c268.562,6.825) 268.562,7.075 ccw(c268.562,6.825)
cut-out: 269.867,6.088 ccw(c270.117,6.088) 270.117,5.838 ccw(c270.117,6.088) 270.367,6.088 ccw(c270.117,6.088) 270.117,6.338 ccw(c270.117,6.088)
cut-out: 270.294,4.854 ccw(c270.294,5.104) 270.544,5.104 ccw(c270.294,5.104) 270.294,5.354 ccw(c270.294,5.104) 270.044,5.104 ccw(c270.294,5.104)
cut-out: 268.489,5.84 ccw(c268.739,5.84) 268.739,5.59 ccw(c268.739,5.84) 268.989,5.84 ccw(c268.739,5.84) 268.739,6.09 ccw(c268.739,5.84)
cut-out: 271.363,-10.452 268.886,3.327 cw(c269.87,3.504) 270.855,3.681 273.331,-10.099 cw(c272.347,-10.276)
cut-out: 268.666,4.856 ccw(c268.916,4.856) 268.916,4.606 ccw(c268.916,4.856) 269.166,4.856 ccw(c268.916,4.856) 268.916,5.106 ccw(c268.916,4.856)
cut-out: 318.697,-33.869 ccw(c318.947,-33.869) 318.947,-34.119 ccw(c318.947,-33.869) 319.197,-33.869 ccw(c318.947,-33.869) 318.947,-33.619 ccw(c318.947,-33.869)
cut-out: 317.962,-33.943 ccw(c317.962,-33.693) 318.212,-33.693 ccw(c317.962,-33.693) 317.962,-33.443 ccw(c317.962,-33.693) 317.712,-33.693 ccw(c317.962,-33.693)
cut-out: 316.978,-33.768 ccw(c316.978,-33.518) 317.228,-33.518 ccw(c316.978,-33.518) 316.978,-33.268 ccw(c316.978,-33.518) 316.728,-33.518 ccw(c316.978,-33.518)
cut-out: 318.45,-35.247 ccw(c318.7,-35.247) 318.7,-35.497 ccw(c318.7,-35.247) 318.95,-35.247 ccw(c318.7,-35.247) 318.7,-34.997 ccw(c318.7,-35.247)
cut-out: 317.716,-35.322 ccw(c317.716,-35.072) 317.966,-35.072 ccw(c317.716,-35.072) 317.716,-34.822 ccw(c317.716,-35.072) 317.466,-35.072 ccw(c317.716,-35.072)
cut-out: 316.732,-35.146 ccw(c316.732,-34.896) 316.982,-34.896 ccw(c316.732,-34.896) 316.732,-34.646 ccw(c316.732,-34.896) 316.482,-34.896 ccw(c316.732,-34.896)
cut-out: 312.915,-14.125 ccw(c313.165,-14.125) 313.165,-14.375 ccw(c313.165,-14.125) 313.415,-14.125 ccw(c313.165,-14.125) 313.165,-13.875 ccw(c313.165,-14.125)
cut-out: 311.954,-14.402 cw(c312.204,-14.402) 312.204,-14.152 cw(c312.204,-14.402) 312.454,-14.402 cw(c312.204,-14.402) 312.204,-14.652 cw(c312.204,-14.402)
cut-out: 310.993,-14.679 ccw(c311.243,-14.679) 311.243,-14.929 ccw(c311.243,-14.679) 311.493,-14.679 ccw(c311.243,-14.679) 311.243,-14.429 ccw(c311.243,-14.679)
cut-out: 313.303,-15.47 ccw(c313.553,-15.47) 313.553,-15.72 ccw(c313.553,-15.47) 313.803,-15.47 ccw(c313.553,-15.47) 313.553,-15.22 ccw(c313.553,-15.47)
cut-out: 312.342,-15.747 ccw(c312.592,-15.747) 312.592,-15.997 ccw(c312.592,-15.747) 312.842,-15.747 ccw(c312.592,-15.747) 312.592,-15.497 ccw(c312.592,-15.747)
cut-out: 311.631,-16.274 ccw(c311.631,-16.024) 311.881,-16.024 ccw(c311.631,-16.024) 311.631,-15.774 ccw(c311.631,-16.024) 311.381,-16.024 ccw(c311.631,-16.024)
cut-out: 297.125,-20.518 310.273,-16.728 ccw(c309.996,-15.767) 309.719,-14.806 298.044,-18.172 294.515,-12.331 ccw(c293.66,-12.848) 292.804,-13.365
cut-out: 325.173,-42.233 cw(c324.926,-41.263) 324.68,-40.294 333.162,-38.134 320.124,-35.806 cw(c320.3,-34.822) 320.476,-33.837 342.616,-37.791
cut-out: 323.05,-40.955 ccw(c323.3,-40.955) 323.3,-41.205 ccw(c323.3,-40.955) 323.55,-40.955 ccw(c323.3,-40.955) 323.3,-40.705 ccw(c323.3,-40.955)
cut-out: 322.331,-41.452 ccw(c322.331,-41.202) 322.581,-41.202 ccw(c322.331,-41.202) 322.331,-40.952 ccw(c322.331,-41.202) 322.081,-41.202 ccw(c322.331,-41.202)
cut-out: 321.112,-41.449 ccw(c321.362,-41.449) 321.362,-41.699 ccw(c321.362,-41.449) 321.612,-41.449 ccw(c321.362,-41.449) 321.362,-41.199 ccw(c321.362,-41.449)
cut-out: 323.396,-42.312 ccw(c323.646,-42.312) 323.646,-42.562 ccw(c323.646,-42.312) 323.896,-42.312 ccw(c323.646,-42.312) 323.646,-42.062 ccw(c323.646,-42.312)
cut-out: 322.426,-42.559 cw(c322.676,-42.559) 322.676,-42.309 cw(c322.676,-42.559) 322.926,-42.559 cw(c322.676,-42.559) 322.676,-42.809 cw(c322.676,-42.559)
cut-out: 321.457,-42.806 ccw(c321.707,-42.806) 321.707,-43.056 ccw(c321.707,-42.806) 321.957,-42.806 ccw(c321.707,-42.806) 321.707,-42.556 ccw(c321.707,-42.806)
cut-out: 300.946,-48.402 cw(c300.7,-47.433) 300.453,-46.464 319.834,-41.528 cw(c320.081,-42.497) 320.328,-43.466
cut-out: 298.823,-47.125 ccw(c299.073,-47.125) 299.073,-47.375 ccw(c299.073,-47.125) 299.323,-47.125 ccw(c299.073,-47.125) 299.073,-46.875 ccw(c299.073,-47.125)
cut-out: 298.104,-47.621 ccw(c298.104,-47.371) 298.354,-47.371 ccw(c298.104,-47.371) 298.104,-47.121 ccw(c298.104,-47.371) 297.854,-47.371 ccw(c298.104,-47.371)
cut-out: 296.885,-47.618 ccw(c297.135,-47.618) 297.135,-47.868 ccw(c297.135,-47.618) 297.385,-47.618 ccw(c297.135,-47.618) 297.135,-47.368 ccw(c297.135,-47.618)
cut-out: 299.419,-48.731 ccw(c299.419,-48.481) 299.669,-48.481 ccw(c299.419,-48.481) 299.419,-48.231 ccw(c299.419,-48.481) 299.169,-48.481 ccw(c299.419,-48.481)
cut-out: 298.2,-48.728 ccw(c298.45,-48.728) 298.45,-48.978 ccw(c298.45,-48.728) 298.7,-48.728 ccw(c298.45,-48.728) 298.45,-48.478 ccw(c298.45,-48.728)
cut-out: 297.481,-49.225 ccw(c297.481,-48.975) 297.731,-48.975 ccw(c297.481,-48.975) 297.481,-48.725 ccw(c297.481,-48.975) 297.231,-48.975 ccw(c297.481,-48.975)
cut-out: 282.273,-27.366 ccw(c282.523,-27.366) 282.523,-27.616 ccw(c282.523,-27.366) 282.773,-27.366 ccw(c282.523,-27.366) 282.523,-27.116 ccw(c282.523,-27.366)
cut-out: 283.257,-27.541 ccw(c283.507,-27.541) 283.507,-27.791 ccw(c283.507,-27.541) 283.757,-27.541 ccw(c283.507,-27.541) 283.507,-27.291 ccw(c283.507,-27.541)
cut-out: 284.241,-27.717 ccw(c284.491,-27.717) 284.491,-27.967 ccw(c284.491,-27.717) 284.741,-27.717 ccw(c284.491,-27.717) 284.491,-27.467 ccw(c284.491,-27.717)
cut-out: 283.995,-29.095 cw(c284.245,-29.095) 284.245,-28.845 cw(c284.245,-29.095) 284.495,-29.095 cw(c284.245,-29.095) 284.245,-29.345 cw(c284.245,-29.095)
cut-out: 283.261,-29.17 ccw(c283.261,-28.92) 283.511,-28.92 ccw(c283.261,-28.92) 283.261,-28.67 ccw(c283.261,-28.92) 283.011,-28.92 ccw(c283.261,-28.92)
cut-out: 282.276,-28.994 ccw(c282.276,-28.744) 282.526,-28.744 ccw(c282.276,-28.744) 282.276,-28.494 ccw(c282.276,-28.744) 282.026,-28.744 ccw(c282.276,-28.744)
cut-out: 261.791,-16.626 ccw(c262.041,-16.626) 262.041,-16.876 ccw(c262.041,-16.626) 262.291,-16.626 ccw(c262.041,-16.626) 262.041,-16.376 ccw(c262.041,-16.626)
cut-out: 260.989,-17.773 ccw(c261.239,-17.773) 261.239,-18.023 ccw(c261.239,-17.773) 261.489,-17.773 ccw(c261.239,-17.773) 261.239,-17.523 ccw(c261.239,-17.773)
cut-out: 262.296,-18.879 273.251,-26.54 265.68,-32.941 ccw(c266.326,-33.704) 266.971,-34.468 266.972,-34.468 274.934,-27.737 280.747,-28.775 ccw(c280.923,-27.791) 281.099,-26.807 276.176,-25.928 274.216,-15.02 ccw(c273.232,-15.197) 272.247,-15.374 273.897,-24.551 263.443,-17.239 263.442,-17.24 ccw(c262.869,-18.059)
cut-out: 264.478,-34.138 ccw(c264.728,-34.138) 264.728,-34.388 ccw(c264.728,-34.138) 264.978,-34.138 ccw(c264.728,-34.138) 264.728,-33.888 ccw(c264.728,-34.138)
cut-out: 285.669,-29.654 315.202,-34.927 ccw(c315.378,-33.943) 315.554,-32.959 286.021,-27.685 ccw(c285.845,-28.67)
cut-out: 276.719,-54.571 cw(c276.473,-53.602) 276.226,-52.633 295.607,-47.698 cw(c295.854,-48.667) 296.101,-49.636
cut-out: 274.596,-53.294 cw(c274.846,-53.294) 274.846,-53.044 cw(c274.846,-53.294) 275.096,-53.294 cw(c274.846,-53.294) 274.846,-53.544 cw(c274.846,-53.294)
cut-out: 273.877,-53.791 ccw(c273.877,-53.541) 274.127,-53.541 ccw(c273.877,-53.541) 273.877,-53.291 ccw(c273.877,-53.541) 273.627,-53.541 ccw(c273.877,-53.541)
cut-out: 274.942,-54.651 ccw(c275.192,-54.651) 275.192,-54.901 ccw(c275.192,-54.651) 275.442,-54.651 ccw(c275.192,-54.651) 275.192,-54.401 ccw(c275.192,-54.651)
cut-out: 273.973,-54.897 cw(c274.223,-54.897) 274.223,-54.647 cw(c274.223,-54.897) 274.473,-54.897 cw(c274.223,-54.897) 274.223,-55.147 cw(c274.223,-54.897)
cut-out: 272.908,-54.037 ccw(c272.908,-53.787) 273.158,-53.787 ccw(c272.908,-53.787) 272.908,-53.537 ccw(c272.908,-53.787) 272.658,-53.787 ccw(c272.908,-53.787)
cut-out: 273.004,-55.144 ccw(c273.254,-55.144) 273.254,-55.394 ccw(c273.254,-55.144) 273.504,-55.144 ccw(c273.254,-55.144) 273.254,-54.894 ccw(c273.254,-55.144)
cut-out: 265.632,-35.457 ccw(c265.632,-35.207) 265.882,-35.207 ccw(c265.632,-35.207) 265.632,-34.957 ccw(c265.632,-35.207) 265.382,-35.207 ccw(c265.632,-35.207)
cut-out: 263.715,-34.784 ccw(c263.965,-34.784) 263.965,-35.034 ccw(c263.965,-34.784) 264.215,-34.784 ccw(c263.965,-34.784) 263.965,-34.534 ccw(c263.965,-34.784)
cut-out: 262.951,-35.429 ccw(c263.201,-35.429) 263.201,-35.679 ccw(c263.201,-35.429) 263.451,-35.429 ccw(c263.201,-35.429) 263.201,-35.179 ccw(c263.201,-35.429)
cut-out: 264.868,-36.103 ccw(c264.868,-35.853) 265.118,-35.853 ccw(c264.868,-35.853) 264.868,-35.603 ccw(c264.868,-35.853) 264.618,-35.853 ccw(c264.868,-35.853)
cut-out: 263.855,-36.499 ccw(c264.105,-36.499) 264.105,-36.749 ccw(c264.105,-36.499) 264.355,-36.499 ccw(c264.105,-36.499) 264.105,-36.249 ccw(c264.105,-36.499)
cut-out: 254.715,12.159 cw(c254.403,14.07) 254.01,15.966 263.664,17.969 267.828,26.639 cw(c268.73,26.206) 269.631,25.773 265.9,18.005 276.039,16.991 277.616,22.903 cw(c278.582,22.645) 279.548,22.388 277.708,15.485 280.552,10.778 cw(c279.696,10.261) 278.841,9.744 276.341,13.88 269.021,13.88 269.97,8.602 cw(c268.986,8.425) 268.002,8.248 266.94,14.153
cut-out: 252.071,15.163 ccw(c252.321,15.163) 252.321,14.913 ccw(c252.321,15.163) 252.571,15.163 ccw(c252.321,15.163) 252.321,15.413 ccw(c252.321,15.163)
cut-out: 251.337,14.731 ccw(c251.337,14.981) 251.587,14.981 ccw(c251.337,14.981) 251.337,15.231 ccw(c251.337,14.981) 251.087,14.981 ccw(c251.337,14.981)
cut-out: 250.104,14.799 ccw(c250.354,14.799) 250.354,14.549 ccw(c250.354,14.799) 250.604,14.799 ccw(c250.354,14.799) 250.354,15.049 ccw(c250.354,14.799)
cut-out: 252.85,12.054 ccw(c252.85,12.304) 253.1,12.304 ccw(c252.85,12.304) 252.85,12.554 ccw(c252.85,12.304) 252.6,12.304 ccw(c252.85,12.304)
cut-out: 251.617,12.122 ccw(c251.867,12.122) 251.867,11.872 ccw(c251.867,12.122) 252.117,12.122 ccw(c251.867,12.122) 251.867,12.372 ccw(c251.867,12.122)
cut-out: 250.884,11.69 ccw(c250.884,11.94) 251.134,11.94 ccw(c250.884,11.94) 250.884,12.19 ccw(c250.884,11.94) 250.634,11.94 ccw(c250.884,11.94)
cut-out: 249.121,14.617 ccw(c249.371,14.617) 249.371,14.367 ccw(c249.371,14.617) 249.621,14.617 ccw(c249.371,14.617) 249.371,14.867 ccw(c249.371,14.617)
cut-out: 248.138,14.435 ccw(c248.388,14.435) 248.388,14.185 ccw(c248.388,14.435) 248.638,14.435 ccw(c248.388,14.435) 248.388,14.685 ccw(c248.388,14.435)
cut-out: 249.65,11.758 ccw(c249.9,11.758) 249.9,11.508 ccw(c249.9,11.758) 250.15,11.758 ccw(c249.9,11.758) 249.9,12.008 ccw(c249.9,11.758)
cut-out: 248.917,11.326 ccw(c248.917,11.576) 249.167,11.576 ccw(c248.917,11.576) 248.917,11.826 ccw(c248.917,11.576) 248.667,11.576 ccw(c248.917,11.576)
cut-out: 233.109,3.433 ccw(c233.359,3.433) 233.359,3.183 ccw(c233.359,3.433) 233.609,3.433 ccw(c233.359,3.433) 233.359,3.683 ccw(c233.359,3.433)
cut-out: 234.748,2.286 ccw(c234.998,2.286) 234.998,2.036 ccw(c234.998,2.286) 235.248,2.286 ccw(c234.998,2.286) 234.998,2.536 ccw(c234.998,2.286)
cut-out: 233.929,2.86 cw(c234.179,2.86) 234.179,3.11 cw(c234.179,2.86) 234.429,2.86 cw(c234.179,2.86) 234.179,2.61 cw(c234.179,2.86)
cut-out: 232.307,2.285 cw(c232.557,2.285) 232.557,2.535 cw(c232.557,2.285) 232.807,2.285 cw(c232.557,2.285) 232.557,2.035 cw(c232.557,2.285)
cut-out: 233.126,1.712 ccw(c233.376,1.712) 233.376,1.462 ccw(c233.376,1.712) 233.626,1.712 ccw(c233.376,1.712) 233.376,1.962 ccw(c233.376,1.712)
cut-out: 233.946,1.139 ccw(c234.196,1.139) 234.196,0.889 ccw(c234.196,1.139) 234.446,1.139 ccw(c234.196,1.139) 234.196,1.389 ccw(c234.196,1.139)
cut-out: 226.712,1.763 ccw(c226.962,1.763) 226.962,1.513 ccw(c226.962,1.763) 227.212,1.763 ccw(c226.962,1.763) 226.962,2.013 ccw(c226.962,1.763)
cut-out: 225.188,3.174 224.959,7.66 216.028,11.138 cw(c216.391,12.069) 216.747,13.004 224.739,9.892 246.475,14.403 cw(c246.835,12.669) 247.12,10.921 227.704,7.754 232.302,4.538 cw(c231.729,3.719) 231.156,2.899 227.058,5.765 227.186,3.276 cw(c226.187,3.225)
cut-out: 225.314,1.691 ccw(c225.564,1.691) 225.564,1.441 ccw(c225.564,1.691) 225.814,1.691 ccw(c225.564,1.691) 225.564,1.941 ccw(c225.564,1.691)
cut-out: 226.763,0.764 ccw(c227.013,0.764) 227.013,0.514 ccw(c227.013,0.764) 227.263,0.764 ccw(c227.013,0.764) 227.013,1.014 ccw(c227.013,0.764)
cut-out: 227.064,-0.485 ccw(c227.064,-0.235) 227.314,-0.235 ccw(c227.064,-0.235) 227.064,0.015 ccw(c227.064,-0.235) 226.814,-0.235 ccw(c227.064,-0.235)
cut-out: 225.365,0.692 ccw(c225.615,0.692) 225.615,0.442 ccw(c225.615,0.692) 225.865,0.692 ccw(c225.615,0.692) 225.615,0.942 ccw(c225.615,0.692)
cut-out: 225.416,-0.306 cw(c225.666,-0.306) 225.666,-0.056 cw(c225.666,-0.306) 225.916,-0.306 cw(c225.666,-0.306) 225.666,-0.556 cw(c225.666,-0.306)
cut-out: 192.633,21.974 ccw(c192.883,21.974) 192.883,21.724 ccw(c192.883,21.974) 193.133,21.974 ccw(c192.883,21.974) 192.883,22.224 ccw(c192.883,21.974)
cut-out: 190.769,22.699 ccw(c191.019,22.699) 191.019,22.449 ccw(c191.019,22.699) 191.269,22.699 ccw(c191.019,22.699) 191.019,22.949 ccw(c191.019,22.699)
cut-out: 191.701,22.337 ccw(c191.951,22.337) 191.951,22.087 ccw(c191.951,22.337) 192.201,22.337 ccw(c191.951,22.337) 191.951,22.587 ccw(c191.951,22.337)
cut-out: 213.133,13.992 ccw(c213.383,13.992) 213.383,13.742 ccw(c213.383,13.992) 213.633,13.992 ccw(c213.383,13.992) 213.383,14.242 ccw(c213.383,13.992)
cut-out: 192.125,20.669 ccw(c192.375,20.669) 192.375,20.419 ccw(c192.375,20.669) 192.625,20.669 ccw(c192.375,20.669) 192.375,20.919 ccw(c192.375,20.669)
cut-out: 191.193,21.032 ccw(c191.443,21.032) 191.443,20.782 ccw(c191.443,21.032) 191.693,21.032 ccw(c191.443,21.032) 191.443,21.282 ccw(c191.443,21.032)
cut-out: 190.261,21.395 ccw(c190.511,21.395) 190.511,21.145 ccw(c190.511,21.395) 190.761,21.395 ccw(c190.511,21.395) 190.511,21.645 ccw(c190.511,21.395)
cut-out: 183.28,16.4 181.554,25.096 182.816,36.05 cw(c183.809,35.936) 184.802,35.822 183.659,25.887 189.737,23.521 cw(c189.367,22.591) 189.004,21.66 183.879,23.655 185.241,16.789 cw(c184.26,16.594)
cut-out: 185.239,15.009 ccw(c185.239,15.259) 185.489,15.259 ccw(c185.239,15.259) 185.239,15.509 ccw(c185.239,15.259) 184.989,15.259 ccw(c185.239,15.259)
cut-out: 185.184,14.278 ccw(c185.434,14.278) 185.434,14.028 ccw(c185.434,14.278) 185.684,14.278 ccw(c185.434,14.278) 185.434,14.528 ccw(c185.434,14.278)
cut-out: 183.81,14.006 ccw(c184.06,14.006) 184.06,13.756 ccw(c184.06,14.006) 184.31,14.006 ccw(c184.06,14.006) 184.06,14.256 ccw(c184.06,14.006)
cut-out: 183.616,14.987 ccw(c183.866,14.987) 183.866,14.737 ccw(c183.866,14.987) 184.116,14.987 ccw(c183.866,14.987) 183.866,15.237 ccw(c183.866,14.987)
cut-out: 214.315,13.379 ccw(c214.315,13.629) 214.565,13.629 ccw(c214.315,13.629) 214.315,13.879 ccw(c214.315,13.629) 214.065,13.629 ccw(c214.315,13.629)